# Allegro board 038RT-9068CJK8E-A100_0921.brd (continued)
## Routing (per net, layer and track width the routed paths; a pad name or vN(x,y) marks a point on that pad's centre or on a via; arc(x,y) is an arc through that point) (continued)
  L44_SIGNAL w0.105: v2(148.67,187.77) 143.54,192.9 121.48,192.9 118.42,195.96 118.42,230.81 112.89,236.35 112.89,239.88 v2(112.25,240.52) ; v2(540.88,283.66) 540.88,282.57 551.51,271.94 551.51,264.78 553.17,263.11 559.1,263.11 564.15,258.06 569.57,258.06 574.38,253.25 574.38,244.09 577.71,240.77 577.71,233.76 578.34,233.12 v2(578.34,231.92)
SLOT3.CH74: length 103.4
  L21_SIGNAL w0.105: UNK3K34.2 428.99,278.32 428.99,305.83 424.29,310.53 424.29,357.25 430.89,363.86 430.89,365.51 432.42,367.03 436.44,367.03 SLOT3-UP.F21
SLOT3.CH75: length 98.9
  L21_SIGNAL w0.105: SLOT3-UP.E19 433.35,363.77 425.31,355.73 425.31,312.21 430.89,306.62 430.89,281.05 431.78,280.16 433.62,280.16 v1(435.17,278.61)
  BOTTOM w0.115: v1(435.17,278.61) UNK3RR932.2
SLOT3.CH76: length 106.1
  L21_SIGNAL w0.105: v2(434.72,276.86) 432.31,279.27 431.02,279.27 429.62,280.67 429.62,306.1 424.8,310.92 424.8,356.87 433.43,365.51 437.63,365.51 438.39,364.74 439,364.74 SLOT3-UP.D19
SLOT3.CH77: length 92
  L21_SIGNAL w0.105: SLOT3-UP.F19 434.38,362.77 425.81,354.2 425.81,313.68 432.29,307.2 432.29,283.52 v1(435.17,280.64)
  BOTTOM w0.115: v1(435.17,280.64) UNK3RR931.2
SLOT3.CH78: length 90.8
  L21_SIGNAL w0.105: SLOT3-UP.E17 438.44,360.63 437.5,361.57 435.34,361.57 426.32,352.55 426.32,314.07 432.93,307.47 432.93,284.91 v1(435.17,282.67)
  BOTTOM w0.115: v1(435.17,282.67) UNK3RR533.2
SLOT3.CH79: length 88.2
  L21_SIGNAL w0.105: v1(435.17,284.7) 433.56,286.31 433.56,307.73 426.83,314.46 426.83,350.77 435.72,359.66 436.86,359.66 437.99,358.54 SLOT3-UP.D17
  BOTTOM w0.115: v1(435.17,284.7) UNK3RR531.2
SLOT3.CH80: length 79.4
  L21_SIGNAL w0.105: SLOT3-UP.F17 427.21,349.27 427.21,315.16 434.32,308.05 434.32,287.58 v1(435.17,286.73)
  BOTTOM w0.115: v1(435.17,286.73) UNK3RR934.2
SLOT3.CH81: length 76.3
  L21_SIGNAL w0.105: SLOT3-UP.E15 435.89,355.77 427.59,347.47 427.59,315.48 435.17,307.9 v1(435.17,288.77)
  BOTTOM w0.115: v1(435.17,288.77) UNK3RR933.2
SLOT3.CH82: length 351
  L21_SIGNAL w0.105: v1(604.62,240.67) 605.39,241.44 605.39,254.63 608.31,257.56 608.31,275.97 609.33,276.99 609.33,296.16 608.44,297.05 608.44,365.89 572.4,401.93 456.9,401.93 450.2,395.22 450.2,358.27 447.66,355.73 442.39,355.73 SLOT3-UP.D15
SLOT3.CH83: length 81.2
  L21_SIGNAL w0.105: SLOT3-UP.F15 435.39,354.77 427.97,347.35 427.97,316.9 437.75,307.13 437.75,283.9 v1(438.98,282.67)
  BOTTOM w0.115: v1(438.98,282.67) UNK3RR935.2
SLOT3.CH84: length 77.4
  L21_SIGNAL w0.105: SLOT3-UP.E13 434.3,351.77 429.37,346.84 429.37,317.31 438.39,308.29 438.39,285.3 v1(438.98,284.7)
  BOTTOM w0.115: v1(438.98,284.7) UNK3RR534.2
SLOT3.CH85: length 345.5
  L21_SIGNAL w0.105: SLOT3-UP.D13 442.07,351.41 448.04,351.41 452.61,355.98 452.61,390.91 459.7,397.99 568.72,397.99 601.07,365.63 601.07,300.99 590.15,290.07 590.15,252.73 594.22,248.67 594.22,244.47 595.61,243.08 595.61,241.55 v1(596.49,240.67)
SLOT3.CH86: length 71.7
  L21_SIGNAL w0.105: v1(438.98,286.73) 438.98,310.18 429.88,319.28 429.88,345.57 435.08,350.77 SLOT3-UP.F13
  BOTTOM w0.115: v1(438.98,286.73) UNK3RR535.2
SLOT3.CH87: length 78.9
  L21_SIGNAL w0.105: v1(438.98,280.64) 440.28,281.94 441.31,281.94 442.07,282.7 442.07,307.98 431.28,318.78 431.28,344.55 434.49,347.77 SLOT3-UP.E11
  BOTTOM w0.115: v1(438.98,280.64) UNK3RR530.2
SLOT3.CH88: length 78.2
  L21_SIGNAL w0.105: v1(438.98,278.61) 440.28,279.91 441.18,279.91 442.96,281.69 442.96,308.06 431.78,319.24 431.78,343.66 434.89,346.77 SLOT3-UP.F11
  BOTTOM w0.115: v1(438.98,278.61) UNK3RR532.2
SLOT3.CH89: length 89.1
  L21_SIGNAL w0.105: SLOT3-UP.E9 434.94,343.77 433.31,342.14 433.31,319.01 444.23,308.08 444.23,271.78 441.52,269.07 v1(436.94,269.07)
SLOT3.CH90: length 90.7
  L21_SIGNAL w0.105: SLOT3-UP.F9 435.33,342.77 433.82,341.25 433.82,319.77 445.12,308.46 445.12,271.91 441.56,268.35 434.48,268.35 v1(433.76,269.07)
SLOT3.CH91: length 94.5
  L21_SIGNAL w0.105: v1(430.59,269.07) 431.94,267.72 442.2,267.72 446.13,271.65 446.13,308.85 434.2,320.78 434.2,338.84 435.13,339.77 SLOT3-UP.E7
SLOT3.CH92: length 95.2
  L21_SIGNAL w0.105: SLOT3-UP.F7 435.02,338.77 434.58,338.33 434.58,321.67 447.66,308.59 447.66,270.89 442.58,265.81 441.05,265.81 439.66,267.21 431.27,267.21 v1(430.59,266.53)
SLOT3.CH93: length 91.1
  L21_SIGNAL w0.105: SLOT3-UP.E5 435.83,335.77 435.09,335.03 435.09,322.31 448.67,308.72 448.67,271.02 442.83,265.18 434.95,265.18 v1(433.76,263.99)
SLOT3.CH94: length 90
  L21_SIGNAL w0.105: v1(433.76,261.45) 435.46,263.14 441.82,263.14 449.82,271.14 449.82,308.71 435.59,322.93 435.59,333.65 SLOT3-UP.F5
SLOT3.CH95: length 127.9
  L21_SIGNAL w0.105: UNK3K183.5 500.91,255.52 474.33,255.52 450.45,279.4 450.45,308.97 435.97,323.45 435.97,331.34 436.4,331.77 SLOT3-UP.E3
SLOT3.CH96: length 150.3
  L19_SIGNAL w0.1: v1(342.59,208.05) 342.59,207.36 342.69,207.26 344.04,207.26 344.77,206.53 344.77,198.4 346.8,196.37 346.8,164.49 360.31,150.99 428.75,150.99 434.56,145.18 434.56,143.53 436.1,141.99 438.29,141.99 SLOT3-DOWN.E25
  BOTTOM w0.115: MUX6.6 340.63,207.39 341.93,207.39 v1(342.59,208.05)
SLOT3.CH97: length 154.3
  L19_SIGNAL w0.1: SLOT3-DOWN.D24 438.97,140.84 438.26,140.84 437.48,141.62 435.95,141.62 434.2,143.38 434.2,145.03 428.6,150.62 360.16,150.62 346.44,164.34 346.44,196.22 344.41,198.25 344.41,206.38 343.89,206.89 342.69,206.89 342.59,206.79 v1(342.59,206.1)
  BOTTOM w0.115: MUX6.7 341.94,206.75 v1(342.59,206.1)
SLOT3.CH98: length 141.7
  L19_SIGNAL w0.1: SLOT3-DOWN.F24 433.54,138.84 433.04,139.34 433.04,144.29 428.12,149.21 359.42,149.21 344.64,163.98 344.64,194.97 343.79,195.83 342.69,195.83 342.59,195.93 v1(342.59,196.62)
  BOTTOM w0.115: MUX9.6 341.94,195.97 v1(342.59,196.62)
SLOT3.CH99: length 143.7
  L19_SIGNAL w0.1: v1(342.59,194.67) 342.59,195.36 342.69,195.46 343.64,195.46 344.28,194.82 344.28,163.83 359.27,148.84 427.97,148.84 432.67,144.14 432.67,139.19 434.03,137.84 SLOT3-DOWN.E23
  BOTTOM w0.115: v1(342.59,194.67) 341.94,195.32 MUX9.7
SLOT3.CH100: length 116.1
  L19_SIGNAL w0.102: SLOT3-DOWN.D22 442.32,135.73 442.32,148.84 437.96,153.21 412.33,153.21 394.05,171.49 394.05,200.48 393.43,201.1 393.43,203.77 395.48,205.82 402.4,205.82 402.5,205.72 402.5,205.02 v1(402.9,204.62)
SLOT3.CH101: length 151.8
  L21_SIGNAL w0.105: UNK1K8.8 483.83,188.24 488.3,183.77 488.3,169.04 483.73,164.47 449.47,164.47 435.94,150.93 435.94,135.61 SLOT3-DOWN.F22
  BOTTOM w0.115: UNK3CD175.1 UNK1K8.8
SLOT3.CH102: length 140.6
  L34_SIGNAL w0.105: v1(436.94,258.91) 436.94,256.36 436.1,255.52 436.1,248.28 443.21,241.17 443.21,188.47 444.61,187.07 444.61,152.65 448.93,148.34 448.93,134.87 447.89,133.84 SLOT3-DOWN.E21
SLOT3.CH103: length 80.5
  L32_SIGNAL w0.105: v1(436.94,198.91) 436.36,198.33 436.36,178.05 449.31,165.1 449.31,133.22 447.66,131.57 442.16,131.57 SLOT3-DOWN.D20
SLOT3.CH104: length 220.5
  L34_SIGNAL w0.105: SLOT3-DOWN.F20 432.93,134.62 432.93,146.69 414,165.61 340.85,165.61 332.34,174.12 332.34,224.92 316.94,240.32 v2(316.94,258.91)
SLOT3.CH105: length 155.6
  L32_SIGNAL w0.105: SLOT3-DOWN.E19 435.93,129.84 434.96,130.81 434.96,140.13 399.07,176.02 341.05,176.02 318.16,198.91 v1(316.94,198.91)
SLOT3.CH106: length 163.2
  L21_SIGNAL w0.105: UNK1K233.4 520.56,224.7 520.56,172.33 505.48,157.25 461.12,157.25 453.53,149.66 453.53,130.87 450.31,127.66 442.25,127.66 SLOT3-DOWN.D18
SLOT3.CH107: length 117.6
  L21_SIGNAL w0.105: v1(435.17,228.77) 435.17,228.2 435.51,227.86 441.35,227.86 449.2,220.01 449.2,186.46 442.4,179.67 442.4,158.61 435.35,151.56 435.35,128.19 SLOT3-DOWN.F18
  BOTTOM w0.115: v1(435.17,228.77) UNK1RR933.2
SLOT3.CH108: length 161.8
  L21_SIGNAL w0.105: SLOT3-DOWN.E17 439.4,126.8 439.4,151.35 450.36,162.31 484.62,162.31 490.46,168.14 490.46,183.77 496.43,189.74 496.43,238.76 UNK1K9.8
  BOTTOM w0.115: UNK3CD176.1 UNK1K9.8
SLOT3.CH109: length 181
  L21_SIGNAL w0.105: SLOT3-DOWN.D16 441.92,121.89 455.11,121.89 457.51,124.29 457.51,147.33 462.89,152.7 506.92,152.7 520.4,166.19 537.94,166.19 551.58,179.83 571.86,179.83 574.97,182.94 v1(574.97,190.92)
  BOTTOM w0.115: v1(574.97,190.92) UNK1RR930.2
SLOT3.CH110: length 163.8
  L21_SIGNAL w0.105: SLOT3-DOWN.F16 437.59,123.72 437.59,150.79 450,163.19 484.25,163.19 489.57,168.51 489.57,184.4 491.6,186.44 491.6,238.05 UNK1K8.5
  BOTTOM w0.115: UNK1CD175.1 UNK1K8.5
SLOT3.CH111: length 183.9
  L21_SIGNAL w0.105: UNK1K9.5 499.53,197.18 511.29,185.42 511.29,173.86 498.56,161.12 450.85,161.12 439.87,150.14 439.87,123.27 SLOT3-DOWN.E15
  BOTTOM w0.115: UNK1CD176.1 UNK1K9.5
SLOT3.CH112: length 185.7
  L21_SIGNAL w0.105: SLOT3-DOWN.D14 442.17,119.58 457.07,119.58 458.62,121.13 458.62,146.35 463.7,151.43 507.44,151.43 520.93,164.92 538.47,164.92 552.11,178.56 584.22,178.56 v1(586.33,180.67)
  BOTTOM w0.115: v1(586.33,180.67) UNK1RR514.2
SLOT3.CH113: length 160.2
  L21_SIGNAL w0.105: UNK1K183.5 505.87,193 512.56,186.31 512.56,173.33 499.08,159.85 451.38,159.85 440.36,148.83 440.36,122.22 438.83,120.7 437.85,120.7 437.4,120.24 437.4,119.52 SLOT3-DOWN.F14
SLOT3.CH114: length 191.8
  L21_SIGNAL w0.105: SLOT3-DOWN.E13 457.66,117.84 459.2,119.38 459.2,146.19 463.94,150.93 507.65,150.93 521.14,164.41 538.68,164.41 552.32,178.05 585.75,178.05 v1(588.37,180.67)
  BOTTOM w0.115: v1(588.37,180.67) UNK1RR515.2
SLOT3.CH115: length 193.4
  L21_SIGNAL w0.105: SLOT3-DOWN.D12 442.19,115.6 458.25,115.6 459.79,117.13 459.79,145.75 464.14,150.1 507.67,150.1 521.36,163.79 538.98,163.79 551.34,176.15 584.95,176.15 587.23,178.44 588.16,178.44 v1(590.4,180.67)
  BOTTOM w0.115: v1(590.4,180.67) UNK1RR511.2
SLOT3.CH116: length 201.6
  L21_SIGNAL w0.105: SLOT3-DOWN.F12 439.15,114.84 440.22,113.77 451.15,113.77 452,114.62 458.39,114.62 460.42,116.65 460.42,145.4 464.3,149.28 507.76,149.28 521.6,163.12 539.31,163.12 550.69,174.5 587.61,174.5 589.14,176.02 589.14,177.38 v1(592.43,180.67)
  BOTTOM w0.115: v1(592.43,180.67) UNK1RR510.2
SLOT3.CH117: length 108.5
  L32_SIGNAL w0.105: SLOT3-DOWN.E11 448.08,113.84 451.78,117.53 451.78,169.49 447.66,173.61 447.66,187.58 445.5,189.74 445.5,197.1 441.69,200.91 440.01,200.91 v1(436.94,203.99)
SLOT3.CH118: length 170
  L34_SIGNAL w0.105: v1(436.94,263.99) 440.57,260.35 442.96,260.35 448.04,255.27 448.04,172.21 451.34,168.92 451.34,113.31 447.75,109.73 442.08,109.73 SLOT3-DOWN.D10
SLOT3.CH119: length 134.4
  TOP w0.115: v2(467.57,24.51) v2(467.57,27.05) 465.35,29.28 465.35,32.82 465.11,33.06 UNK1HOST2.27
  L19_SIGNAL w0.105: v2(467.57,24.51) 468.34,25.28 468.34,33.43 471.61,36.7 471.61,44.49 473.16,46.04 473.16,60.01 468.91,64.26 440.51,64.26 435.07,69.7 435.07,109.2 SLOT3-DOWN.F10
SLOT3.CH120: length 252.7
  L34_SIGNAL w0.105: v2(316.94,263.99) 315.59,262.64 314.05,262.64 312.91,261.49 312.91,240.79 322.06,231.65 322.06,211.84 324.98,208.91 324.98,201.68 325.74,200.91 325.74,194.18 324.98,193.42 324.98,188.85 326.75,187.07 326.75,172.34 336.91,162.18 409.05,162.18 429.12,142.11 429.12,117.22 436.5,109.84 SLOT3-DOWN.E9
SLOT3.CH121: length 182.9
  L32_SIGNAL w0.105: SLOT3-DOWN.F8 432.42,111.13 432.42,119.89 427.72,124.59 427.72,143.39 397.38,173.74 338.83,173.74 314.69,197.88 314.69,201.74 v1(316.94,203.99)
SLOT3.CH122: length 239.6
  L21_SIGNAL w0.105: v1(596.49,180.67) 593.2,177.38 593.2,175.89 589.64,172.34 557.21,172.34 543.47,158.6 543.47,112.44 517.7,86.68 464.52,86.68 459.05,92.14 459.05,103.5 456.72,105.84 SLOT3-DOWN.E7
  BOTTOM w0.115: v1(596.49,180.67) UNK1RR513.2
SLOT3.CH123: length 242.3
  L21_SIGNAL w0.105: SLOT3-DOWN.F6 438.91,102.84 439.71,103.63 455.63,103.63 458.24,101.03 458.24,91.12 463.44,85.92 518.02,85.92 544.23,112.13 544.23,158.28 557.53,171.58 590.41,171.58 595.23,176.4 595.23,177.38 v1(598.53,180.67)
  BOTTOM w0.115: v1(598.53,180.67) UNK1RR913.2
SLOT3.CH124: length 239.4
  L21_SIGNAL w0.105: v1(600.56,180.67) 597.26,177.38 597.26,176.28 591.8,170.81 557.84,170.81 544.99,157.96 544.99,111.81 518.33,85.15 462.54,85.15 457.36,90.34 457.36,95.43 450.95,101.84 SLOT3-DOWN.E5
  BOTTOM w0.115: v1(600.56,180.67) UNK1RR911.2
SLOT3.CH125: length 244.4
  L21_SIGNAL w0.105: SLOT3-DOWN.F4 439.07,98.84 439.77,99.54 450.11,99.54 453.78,95.87 453.78,92.33 461.72,84.39 518.65,84.39 545.75,111.5 545.75,157.65 558.16,170.05 596.88,170.05 602.59,175.76 v1(602.59,180.67)
  BOTTOM w0.115: v1(602.59,180.67) UNK1RR910.2
SLOT3.CH126: length 159.5
  L44_SIGNAL w0.105: SLOT3-DOWN.E3 439.91,96.36 439.91,90.42 445.75,84.58 509.25,84.58 525.64,68.2 525.64,40.89 527.16,39.37 527.16,27.26 UNK1K7.10
SLOT3.CH127: length 245.8
  L21_SIGNAL w0.105: v1(606.65,180.67) 606.65,177.16 597.52,168.02 559,168.02 547.79,156.81 547.79,110.66 519.49,82.36 458.29,82.36 457.48,83.17 447.06,83.17 437.51,92.72 437.51,94.03 SLOT3-DOWN.F2
  BOTTOM w0.115: v1(606.65,180.67) UNK1RR914.2
SLOT3.DGS0: length 0.5
  TOP w0.254: SLOT3-DOWN.B26 445.2,142.62 UNK3STB00.1
SLOT3.DGS64: length 0.5
  TOP w0.254: UNK3STB64.1 445.2,334.55 SLOT3-UP.B5
SLOT3.UB0: length 502.4
  L13_SIGNAL w0.203: UNK3K11.12 374.79,284.88 374.79,286.31 373.92,287.17 351.33,287.17 346.7,282.53 314.32,282.53 308.62,276.84 262.82,276.84 UNK2K11.12
  L24_RLY w0.203: UNK3K11.12 382.38,277.28 382.38,227.99 377.03,222.64 377.03,222.63 ; UNK2K11.12 258.1,281.56 258.1,276.91 257.87,276.68 257.87,262.18 258.02,262.03 258.02,242.57 256.27,240.82 256.27,231.78 255.63,231.14 255.63,224.03 257.03,222.63
  L36_SIGNAL w0.203: SLOT3-DOWN.A1 452.22,87.59 473.59,87.59 477.77,91.78 477.77,152.41 467.22,162.96 399.88,162.96 383.44,179.4 383.44,213.09 377.03,219.5 377.03,222.63
SLOT3.UB1: length 621.3
  L24_RLY w0.203: UNK2K130.8 254.95,268.77 254.95,262.69 253.72,261.46 253.72,242.07 254.62,241.17 254.62,233.17 253.79,232.35 253.79,216.57 254.64,215.72 254.64,212.45 253.61,211.41 K130.8 ; UNK3K130.8 372.3,268.79 372.3,233.78 374.76,231.32 374.76,210.39 374.48,210.11 UNK1K130.8
  L36_SIGNAL w0.203: UNK1K130.8 375.2,208.53 375.2,202.59 378.69,199.09 378.69,180.97 398.19,161.46 466.6,161.46 476.27,151.79 476.27,93.07 473.17,89.97 452.69,89.97 449.18,93.48 446.33,93.48 SLOT3-DOWN.B2
  L38_SIGNAL w0.203: K130.8 253.53,210.2 240.09,210.2 239.02,211.26 239.02,214.61 238.17,215.46 229.7,215.46 228.53,216.63 228.53,228.53 232.14,232.14 303.66,232.14 310.92,224.87 310.92,216.52 311.23,216.2 311.23,211.2 313.03,209.41 313.03,183.58 318.96,177.65 366.91,177.65 372.6,183.34 372.6,209.09 UNK1K130.8
SLOT3.UB2: length 746.7
  L36_SIGNAL w0.203: UNK1K8.12 487.31,247.42 522.92,247.42 527.58,242.75 553.38,242.75 558.15,237.98 569.2,237.98 571.31,235.87 571.31,165.72 569.27,163.67 569.27,123.04 566.38,120.15 566.38,108.01 544.49,86.12 449.69,86.12 SLOT3-DOWN.C1
  L38_SIGNAL w0.203: K8.12 184.77,248.56 212,248.56 222.36,258.93 259.09,258.93 264.52,253.49 264.52,246.18 265.69,245.01 274.51,245.01 277.33,247.83 292.49,247.83 294.85,245.47 305.88,245.47 313.52,253.11 313.52,256.36 314.72,257.56 314.72,269.67 315.82,270.78 315.82,276.57 324.04,284.78 347.08,284.78 349.02,282.84 349.02,278.03 351.43,275.63 358.94,275.63 359.95,274.61 359.95,265.46 369.58,255.82 395.8,255.82 398.66,252.96 398.66,249.08 399.48,248.25 406.13,248.25 407.76,249.89 407.76,252.76 411.41,256.41 414.26,256.41 415.35,257.51 426.3,257.51 440.04,243.76 472.17,243.76 480.32,251.92 482.81,251.92 UNK1K8.12
SLOT3.UB3: length 611.4
  L24_RLY w0.203: K60.8 252.28,204.33 252.28,216.2 252.99,216.92 252.99,254.97 252.43,255.52 252.43,261.82 UNK2K60.8 ; UNK3K60.8 373.61,234.46 375.75,232.32 375.75,205.1 373.64,203 UNK1K60.8
  L36_SIGNAL w0.203: UNK1K60.8 377.3,199.31 377.3,180.39 397.62,160.07 466.03,160.07 474.88,151.22 474.88,93.46 472.78,91.36 453.47,91.36 449.38,95.45 444.36,95.45 SLOT3-DOWN.C3
  L38_SIGNAL w0.203: K60.8 254.86,204.25 254.86,210.77 253.89,211.75 240.61,211.75 240.01,212.34 240.01,214.88 238.46,216.44 230.28,216.44 229.47,217.26 229.47,226.32 234.09,230.95 242.68,230.95 243.19,231.46 303.05,231.46 309.38,225.13 309.38,217.09 310.45,216.02 310.45,210.28 311.35,209.39 311.35,182.65 317.04,176.96 367.19,176.96 373.61,183.38 UNK1K60.8
SLOT3.UB4: length 710.8
  L36_SIGNAL w0.203: SLOT3-DOWN.D1 441.2,89.66 447.23,83.63 547.83,83.63 575.1,110.91 575.1,164.48 574.42,165.17 574.42,230.1 575.13,230.82 575.13,237.55 572.75,239.94 561.36,239.94 556.59,244.71 528.39,244.71 523.73,249.37 506.54,249.37 UNK1K10.12
  L38_SIGNAL w0.203: K10.12 208.39,255.68 215.93,255.68 221.29,261.04 261.86,261.04 265.51,257.38 305.68,257.38 309.66,261.37 309.66,268.94 311.13,270.41 311.13,278.94 311.72,279.53 313.72,279.53 320.66,286.46 349.5,286.46 351.24,284.72 351.24,277.84 352.02,277.06 361.1,277.06 362.95,275.21 362.95,265.76 370.52,258.19 412.71,258.19 414.97,260.45 426.63,260.45 429.68,263.5 474.74,263.5 482.71,255.52 500.39,255.52 UNK1K10.12
SLOT3.UB5: length 716.5
  L36_SIGNAL w0.203: UNK1K9.12 496.91,248.44 523.34,248.44 528.01,243.77 556.21,243.77 560.98,239 571.1,239 572.61,237.49 572.61,231.02 572.15,230.57 572.15,165.37 570.11,163.32 570.11,122.51 567.22,119.62 567.22,106.42 545.64,84.84 448.39,84.84 442.29,90.93 442.29,93.52 SLOT3-DOWN.D2
  L38_SIGNAL w0.203: UNK1K9.12 490.84,254.51 482.05,254.51 474.07,262.48 440.6,262.48 438.21,260.1 428.2,260.1 427.36,259.26 415.6,259.26 413.48,257.14 407.39,257.14 406.26,256.01 399.22,256.01 397.98,257.25 370.32,257.25 362.01,265.56 362.01,275.05 360.73,276.33 351.74,276.33 350.57,277.5 350.57,283.65 348.74,285.48 321,285.48 318.28,282.77 318.28,281.44 313.51,276.68 313.51,270.54 312.97,270 312.97,268.69 311.49,267.21 311.49,258.6 308.75,255.85 264.96,255.85 260.94,259.87 221.85,259.87 216.65,254.66 209.41,254.66 204.63,249.89 194.07,249.89 K9.12
SLOT3.UB6: length 1361.1
  L15_SIGNAL w0.203: v1(23.86,227.21) 23.22,227.85 23.22,277.38 v1(23.86,278.01)
  L24_RLY w0.203: v1(666.73,280.79) 663.73,277.78 663.73,233.28 664.3,232.71 664.3,230.53 665.46,229.36 666.11,229.36 v1(666.73,229.99)
  L36_SIGNAL w0.203: v1(666.73,229.99) 665.73,228.98 665.73,228.98 663.14,226.39 663.14,189.76 645.43,172.06 645.43,107.03 619.26,80.86 447.55,80.86 440.14,88.26 440.14,95.55 SLOT3-DOWN.D3
  L38_SIGNAL w0.203: v1(23.86,227.21) 23.89,227.19 23.89,208.93 42.64,190.17 42.64,89.29 49.3,82.64 103.27,82.64 118.26,67.66 548.47,67.66 604.06,123.25 643.17,123.25 647,127.08 647,204.67 663.51,221.18 663.51,227.03 665.44,228.96 666.15,228.96 666.73,229.54 v1(666.73,229.99)
SLOT3.UB7: length 559.8
  L36_SIGNAL w0.203: v1(141.51,214.54) 145.47,210.58 145.47,109.65 182.74,72.39 305.45,72.39 315.49,82.43 315.49,147.91 317.72,150.14 369.23,150.14 372.58,146.79 372.58,91.85 381.47,82.96 429.79,82.96 439.47,92.63 439.47,96.88 SLOT3-DOWN.D4
  BOTTOM w0.254: R587.1 142.09,213.53 141.65,213.97 141.65,214.41 v1(141.51,214.54)
SLOT3.UB9: length 2127.9
  L24_RLY w0.203: UNK3K241.8 537.53,433.77 531.18,433.77 526.81,438.14 526.81,458.74 521.45,464.1 162.73,464.1 156.52,457.88 156.52,437.84 155.13,436.45 UNK2K241.8 155.81,435.1 157.72,437.01 161.78,437.01 163.31,435.48 163.31,424.56 161.65,422.91 150.86,422.91 139.18,411.23 54.34,411.23 48.37,405.26 48.37,317.75 34.02,303.4 34.02,287.65 36.94,284.73 36.94,274.7 33.89,271.65 33.89,236.09 36.81,233.17 36.81,224.03 37.96,222.88 37.96,186.56 44.56,179.96 44.56,155.19 38.85,149.48 38.85,77.85 108.19,8.51 549.13,8.51 553.96,13.34 553.96,38.73 549.89,42.8 535.82,42.8 UNK1K241.8
  L40_SIGNAL w0.203: K241.8 126.88,47.88 143.87,47.88 146.41,50.42 146.41,57.78 155.05,66.42 521.57,66.42 529.07,58.93 529.07,49.4 530.32,48.15 UNK1K241.8
  L46_SIGNAL w0.203: SLOT3-UP.A2 450.62,325.12 501.2,325.12 503.41,327.33 503.41,362.15 537.74,396.48 537.74,430.83 538.97,432.05 UNK3K241.8
SLOT3.UB10: length 440.5
  L24_RLY w0.203: K223.12 257.03,240.64 260.18,243.79 260.18,247.17 258.73,248.62 258.73,261.77 258.91,261.95 259.9,261.95 260.13,262.18 260.13,287.15 UNK2K223.12 ; UNK3K223.12 375.65,288.87 375.65,262.43 378.06,260.02 378.06,231.28 UNK1K223.12
  L36_SIGNAL w0.203: SLOT3-UP.B1 442.02,323.35 442.02,314.82 438.73,311.53 398.31,311.53 UNK3K223.12
  L38_SIGNAL w0.203: UNK3K223.12 374.89,292.39 356.15,292.39 352.17,288.41 320.02,288.41 312.02,280.4 311.59,280.4 310.4,279.22 310.4,271.01 309.07,269.68 303.26,269.68 302.54,268.96 302.54,260.59 300.09,258.14 277.15,258.14 275.62,259.67 265.59,259.67 263.33,261.94 263.33,266.07 261.34,268.06 240.9,268.06 237.35,271.61 237.35,274.84 236.88,275.3 230.64,275.3 229.24,276.71 229.24,288.2 232.81,291.77 255.51,291.77 UNK2K223.12
SLOT3.UB12: length 2157.7
  L24_RLY w0.203: UNK1K243.8 526,50.04 533.76,50.04 535.54,48.26 535.54,46.74 538.21,44.07 550.66,44.07 554.72,40 554.72,13.02 549.45,7.75 390.76,7.75 389.11,6.1 368.92,6.1 367.27,7.75 107.87,7.75 38.08,77.54 38.08,149.79 43.8,155.51 43.8,179.64 37.07,186.37 37.07,222.63 36.05,223.65 36.05,232.54 33.13,235.46 33.13,272.03 36.18,275.08 36.18,284.48 33.26,287.4 33.26,304.04 47.48,318.26 47.48,405.45 54.02,411.99 138.86,411.99 150.8,423.93 161.15,423.93 162.67,425.45 162.67,433.91 UNK2K243.8 159.88,433.51 154.43,433.51 153.58,434.36 153.58,436.45 155.37,438.24 155.37,458.42 161.92,464.97 522.45,464.97 533.01,454.41 533.01,438.29 536.54,434.76 542.89,434.76 UNK3K243.8
  L40_SIGNAL w0.203: UNK1K243.8 523.97,48.15 522.59,49.53 522.59,59.44 516.62,65.41 156.45,65.41 148.57,57.53 148.57,50.8 144.89,47.12 121.29,47.12 K243.8
  L46_SIGNAL w0.203: SLOT3-UP.D1 443.89,323.85 501.72,323.85 504.68,326.81 504.68,361.62 543.97,400.91 543.97,430.73 545.3,432.05 UNK3K243.8
SLOT3.UB13: length 2149.6
  L24_RLY w0.203: UNK3K240.8 548.54,425.93 548.54,432.54 545.44,435.64 538.79,435.64 537.72,436.71 537.72,452 523.96,465.76 142.31,465.76 137.3,460.74 137.3,438.1 139.43,435.96 139.43,428.98 UNK2K240.8 139.07,427.5 140.57,429.01 145.14,429.01 145.91,428.24 145.91,421.13 137.52,412.75 54.18,412.75 46.72,405.29 46.72,320.93 32.45,306.65 32.45,287.07 35.54,283.97 35.54,275.59 32.5,272.54 32.5,235.31 35.29,232.51 35.29,223.9 34.53,223.14 34.53,185.17 43.16,176.53 43.16,155.48 36.94,149.26 36.94,75.82 106.03,6.73 361.81,6.73 363.33,5.21 390.76,5.21 392.54,6.98 549.89,6.98 555.61,12.7 555.61,40.64 550.4,45.85 550.4,52.98 UNK1K240.8
  L40_SIGNAL w0.203: K240.8 142.5,57.56 152.64,67.69 526.53,67.69 535.92,58.29 535.92,55.5 537.32,54.1 545.99,54.1 UNK1K240.8
  L46_SIGNAL w0.203: UNK3K240.8 550.02,405.16 505.95,361.1 505.95,326.28 502.25,322.58 443.62,322.58 SLOT3-UP.E1
SLOT3.UB14: length 2177.1
  L24_RLY w0.203: UNK3K242.8 557.95,426.04 557.95,433.29 554.45,436.79 539.27,436.79 538.56,437.5 538.56,452.26 524.39,466.43 141.54,466.43 136.36,461.25 136.36,426.26 137.16,425.46 142.26,425.46 UNK2K242.8 144.31,422.45 134.68,412.83 53.68,412.83 45.83,404.98 45.83,321.44 31.73,307.34 31.73,286.64 34.65,283.72 34.65,275.67 31.73,272.74 31.73,234.82 34.53,232.03 34.53,224.16 33.82,223.44 33.82,185.11 42.58,176.35 42.58,155.48 36.18,149.07 36.18,75.06 105.52,5.72 360.33,5.72 361.6,4.44 391.91,4.44 393.68,6.22 550.02,6.22 556.37,12.57 556.37,41.78 551.61,46.55 551.61,55.44 549.64,57.4 542.94,57.4 UNK1K242.8
  L40_SIGNAL w0.203: UNK1K242.8 541.28,58.65 531.22,68.71 147.84,68.71 K242.8
  L46_SIGNAL w0.203: UNK3K242.8 556.37,409.72 507.22,360.57 507.22,325.75 502.14,320.68 442.8,320.68 SLOT3-UP.F1
SLOT23.DGS00: length 275.3
  L17_SIGNAL w0.203: v2(287.98,180.83) 287.98,180.67 289.21,179.44 318.32,179.44 321.75,182.87 321.75,197.21 324.9,200.36 324.9,203.94 329.4,208.45 329.4,293.86 340.45,304.9 352.21,304.9 374.2,326.89 374.2,376.33 372.98,377.55 366.12,377.55 SLOT23.C24
  L24_RLY w0.203: SLOT23.C21 364.24,373.43 364.24,377.65 SLOT23.C24
  BOTTOM w0.203: STG1.2 v2(287.98,180.83)
SLOT23.DGS02: length 148
  L15_SIGNAL w0.203: SLOT23.C18 364.09,365.51 353.84,365.51 345.62,357.28 345.62,331.76 308.82,294.96 308.82,278.64 301.69,271.51 301.69,262.84 298.04,259.19 298.04,256.83 v2(295.43,254.22)
  BOTTOM w0.203: UNK2STG3.2 v2(295.43,254.22)
SLOT23.DGS03: length 118.9
  TOP w0.203: UNK2STG2.2 v2(323.48,437.41)
  L15_SIGNAL w0.203: v2(323.48,437.41) 319.67,437.41 318.92,436.67 318.92,417.79 326.75,409.96 342.25,409.96 371.33,380.87 371.33,361.7 369.17,359.54 366.13,359.54 SLOT23.C15
SLOT23.DGS04: length 251.5
  L17_SIGNAL w0.203: v2(277.86,181.04) 277.86,178.52 278.06,178.32 285.23,178.32 285.43,178.52 285.43,184.03 289.1,187.7 289.1,193.19 291.81,195.9 313.66,195.9 315.35,197.58 317.37,197.58 318.89,199.11 318.89,210.21 320.24,211.56 320.24,214.21 319.09,215.36 319.09,270.42 319.86,271.19 319.86,274.56 319.07,275.36 319.07,289.56 337.59,308.08 351.46,308.08 371.93,328.55 371.93,351.51 369.88,353.55 366.11,353.55 SLOT23.C12
  BOTTOM w0.203: STG6.2 v2(277.86,181.04)
SLOT23.DGS05: length 187.2
  L15_SIGNAL w0.203: v2(295.43,194.22) 298.04,196.83 298.04,199.19 301.69,202.84 301.69,212.28 308.88,219.47 308.88,248.79 318.19,258.1 318.19,277.19 321.61,280.6 321.61,294.16 355.27,327.82 355.27,344.08 358.54,347.35 363.93,347.35 SLOT23.C9
  BOTTOM w0.203: STG3.2 v2(295.43,194.22)
SLOT23.DGS06: length 158.4
  L17_SIGNAL w0.203: v2(287.98,240.83) 287.98,240.49 288.96,239.51 306.32,239.51 308.15,241.34 308.15,288.23 331.17,311.25 347.81,311.25 366.1,329.54 366.1,335.57 SLOT23.C3
  L24_RLY w0.203: SLOT23.C3 364.24,337.43 364.24,341.65 SLOT23.C6
  BOTTOM w0.203: UNK2STG1.2 v2(287.98,240.83)
